# Altium PCB UmTRXv21.PcbDoc (part 13 of 19) (continued)
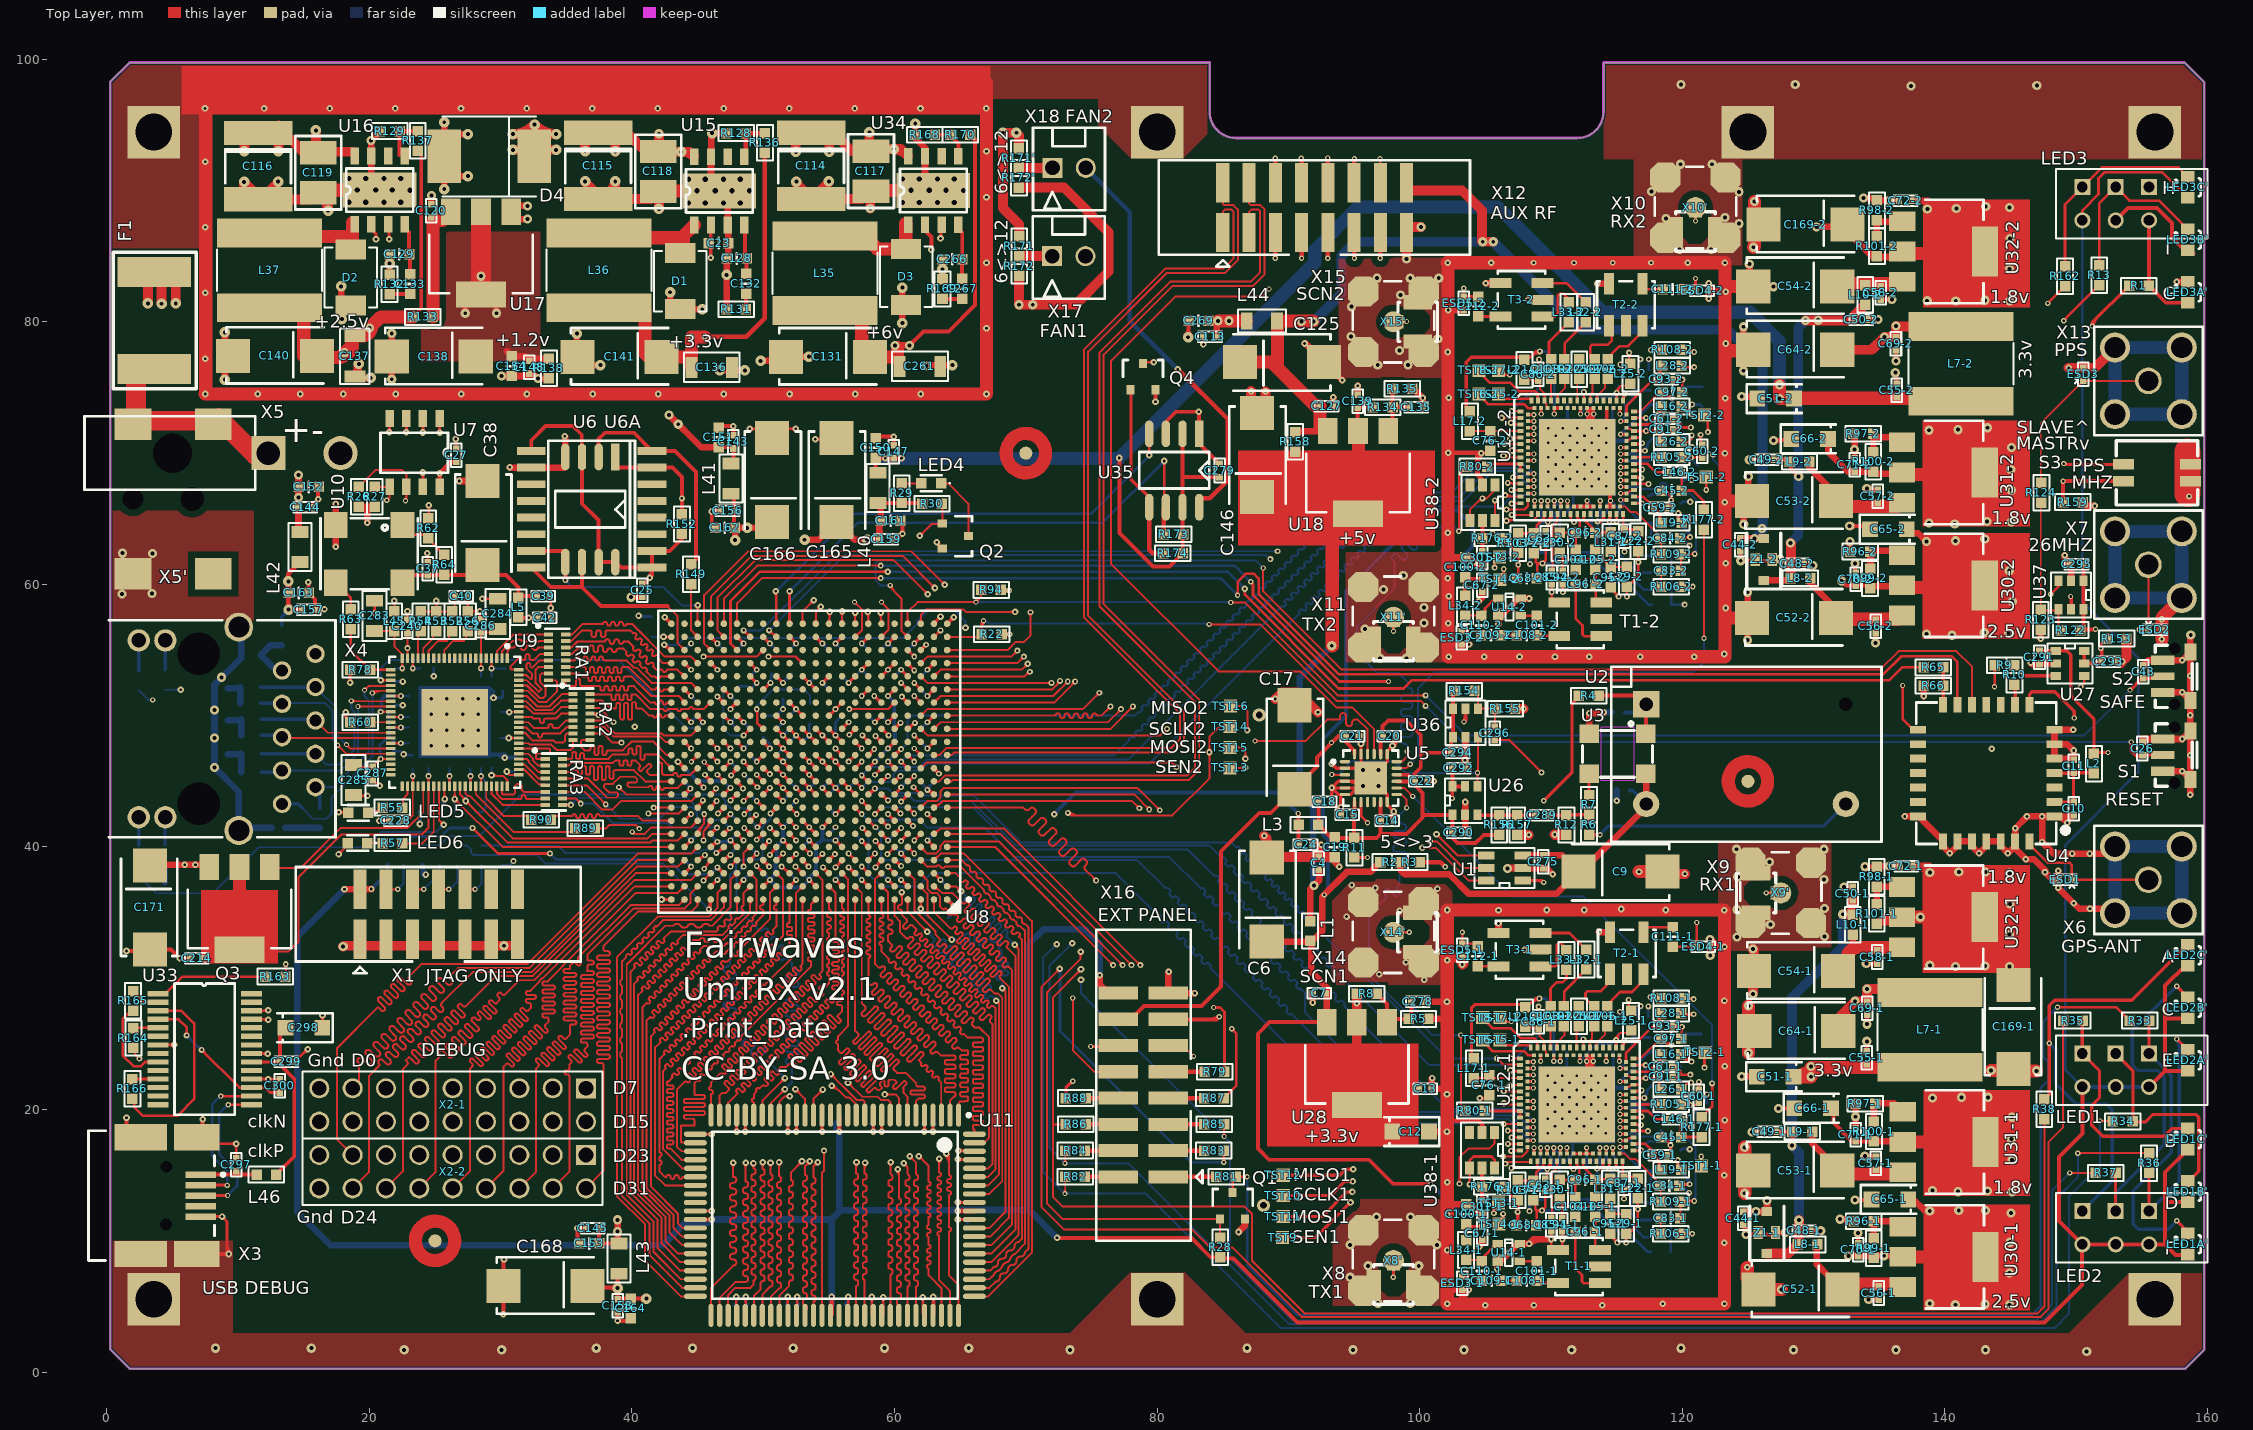
[diagram p0: Top Layer view]
## Nets (pads, with @x,y where several pads share a name; then routed paths per layer and width w, separated by ;. In a path a pad name is that pad's centre, name@x,y a point inside that pad or via, vN(x,y) a via of type N, cw(c..) or ccw(c..) an arc to the next point about the centre after c; other vN are vias at no path point) (continued)
  MidLayer1 w0.15: v1@56.394,38.344 cw(c56.138,38.088) 56.5,38.088 cw(c56.862,38.088) v1@56.606,38.344 ; v1(56.5,38.45) 56.5,37.7 60.7,33.5 v2(60.7,15.9) ; v2@60.576,16.024 ccw(c60.278,16.322) 60.7,16.322 ccw(c61.122,16.322) v2@60.824,16.024
RAM_D14: U8.C7 U11.75 | length 44
  Top Layer w0.15: v1@57.5,38.35 cw(c57.5,37.988) 57.756,38.244 cw(c58.012,38.5) v1@57.65,38.5 ; v1@57.55,38.5 v1(57.5,38.5) U8.C7@58,38 ; U8.C7@57.825,38 ccw(c57.403,38) 57.701,38.299 ccw(c58,38.597) U8.C7@58,38.175 ; v2@61.15,16.275 cw(c61.15,15.853) 61.449,16.151 cw(c61.747,16.45) v2@61.325,16.45 ; v2(61.15,16.45) 61.625,15.975 61.625,15.075 cw(c61.625,14.925) 61.775,14.925 61.775,14.775 cw(c61.625,14.775) 61.625,14.625 ccw(c61.625,14.475) 61.475,14.475 61.475,14.325 ccw(c61.625,14.325) 61.625,14.175 cw(c61.625,14.025) 61.775,14.025 61.775,13.875 cw(c61.625,13.875) 61.625,13.725 ccw(c61.625,13.575) 61.475,13.575 61.475,13.425 ccw(c61.625,13.425) 61.625,13.275 cw(c61.625,13.125) 61.775,13.125 61.775,12.975 cw(c61.625,12.975) 61.625,12.825 ccw(c61.625,12.675) 61.475,12.675 61.475,12.525 ccw(c61.625,12.525) 61.625,12.375 cw(c61.625,12.225) 61.775,12.225 61.775,12.075 cw(c61.625,12.075) 61.625,11.925 ccw(c61.625,11.775) 61.475,11.775 61.475,11.625 ccw(c61.625,11.625) 61.625,11.475 cw(c61.625,11.325) 61.775,11.325 61.775,11.175 cw(c61.625,11.175) 61.625,11.025 ccw(c61.625,10.875) 61.475,10.875 61.475,10.725 ccw(c61.625,10.725) 61.625,10.575 cw(c61.625,10.425) 61.775,10.425 61.775,10.275 cw(c61.625,10.275) 61.625,10.125 ccw(c61.625,9.975) 61.475,9.975 61.475,9.825 ccw(c61.625,9.825) 61.625,9.675 cw(c61.625,9.525) 61.775,9.525 61.775,9.375 cw(c61.625,9.375) 61.625,9.225 ccw(c61.625,9.075) 61.475,9.075 61.475,8.925 ccw(c61.625,8.925) 61.625,8.775 cw(c61.625,8.625) 61.775,8.625 61.775,8.475 cw(c61.625,8.475) 61.625,8.325 ccw(c61.625,8.175) 61.475,8.175 61.475,8.025 ccw(c61.625,8.025) 61.625,7.875 cw(c61.625,7.725) 61.775,7.725 61.775,7.575 cw(c61.625,7.575) 61.625,7.425 ccw(c61.625,7.275) 61.475,7.275 61.475,7.125 ccw(c61.625,7.125) 61.625,6.975 cw(c61.625,6.825) 61.775,6.825 61.775,6.675 cw(c61.625,6.675) 61.625,6.525 U11.75@61.625,4.325
  MidLayer1 w0.15: v1@57.429,38.368 cw(c57.367,38.25) 57.5,38.25 ; v1@57.571,38.368 ccw(c57.633,38.25) 57.5,38.25 ; v1@57.65,38.5 ccw(c58.616,38.5) 57.933,37.817 ; 57.677,38.073 cw(c58.104,38.5) v1(57.5,38.5) 57.5,38.25 ; v2@61.026,16.574 ccw(c60.728,16.872) 61.15,16.872 ccw(c61.572,16.872) v2@61.274,16.574 ; v2(61.15,16.45) 61.15,34.6 57.5,38.25
RAM_D15: U8.D6 U11.78 | length 43.7
  Top Layer w0.15: v1(58.55,38.45) 58.55,38.55 U8.D6@59,39 ; v1@58.7,38.45 cw(c59.304,38.45) U8.D6@58.877,38.877 ; v1@58.708,38.584 cw(c59.157,38.324) U8.D6@59.04,38.83 ; 58.804,38.751 ccw(c58.572,38.885) U8.D6@58.831,38.955 ; U8.D6@58.825,39 cw(c58.403,39) 58.701,38.701 cw(c59,38.403) U8.D6@59,38.825 ; v2@61.85,16.275 cw(c61.85,15.853) 62.149,16.151 cw(c62.447,16.45) v2@62.025,16.45 ; v2(61.85,16.45) 62.6,15.7 62.6,14.5 cw(c62.6,14.35) 62.6,14.2 ccw(c62.6,14.05) 62.6,13.9 cw(c62.6,13.75) 62.6,13.6 ccw(c62.6,13.45) 62.6,13.3 cw(c62.6,13.15) 62.6,13 ccw(c62.6,12.85) 62.6,12.7 cw(c62.6,12.55) 62.6,12.4 ccw(c62.6,12.25) 62.6,12.1 cw(c62.6,11.95) 62.6,11.8 62.6,11.2 ccw(c62.6,11.05) 62.6,10.9 cw(c62.6,10.75) 62.6,10.6 ccw(c62.6,10.45) 62.6,10.3 62.6,9.7 cw(c62.6,9.55) 62.6,9.4 ccw(c62.6,9.25) 62.6,9.1 cw(c62.6,8.95) 62.6,8.8 ccw(c62.6,8.65) 62.6,8.5 cw(c62.6,8.35) 62.6,8.2 ccw(c62.6,8.05) 62.6,7.9 62.6,7.375 63.575,6.4 U11.78@63.575,4.325
  MidLayer1 w0.15: v1@58.444,38.344 cw(c58.188,38.088) 58.55,38.088 cw(c58.912,38.088) v1@58.656,38.344 ; v1(58.55,38.45) 58.55,37.7 61.85,34.4 v2(61.85,16.45) ; v2@61.726,16.574 ccw(c61.428,16.872) 61.85,16.872 ccw(c62.272,16.872) v2@61.974,16.574
RAM_D16: U8.C5 U11.79 | length 43.1
  Top Layer w0.15: v1@59.5,38.35 cw(c59.5,37.988) 59.756,38.244 cw(c60.012,38.5) v1@59.65,38.5 ; v1(59.5,38.5) U8.C5@60,38 ; U8.C5@59.825,38 ccw(c59.403,38) 59.701,38.299 ccw(c60,38.597) U8.C5@60,38.175 ; v2@63.276,16.126 cw(c62.978,15.828) 63.4,15.828 cw(c63.822,15.828) v2@63.524,16.126 ; v2(63.4,16.25) 63.4,15.2 cw(c63.4,15.05) 63.4,14.9 ccw(c63.4,14.75) 63.4,14.6 cw(c63.4,14.45) 63.4,14.3 ccw(c63.4,14.15) 63.4,14 cw(c63.4,13.85) 63.4,13.7 ccw(c63.4,13.55) 63.4,13.4 cw(c63.4,13.25) 63.4,13.1 ccw(c63.4,12.95) 63.4,12.8 cw(c63.4,12.65) 63.4,12.5 ccw(c63.4,12.35) 63.4,12.2 cw(c63.4,12.05) 63.4,11.9 ccw(c63.4,11.75) 63.4,11.6 cw(c63.4,11.45) 63.4,11.3 ccw(c63.4,11.15) 63.4,11 cw(c63.4,10.85) 63.4,10.7 ccw(c63.4,10.55) 63.4,10.4 63.4,7 64.225,6.175 U11.79@64.225,4.325
  MidLayer1 w0.15: v1@59.5,38.35 cw(c59.5,37.988) 59.756,38.244 cw(c60.012,38.5) v1@59.65,38.5 ; v1(59.5,38.5) 59.95,38.05 60.65,38.05 63.4,35.3 v2(63.4,16.25) ; v2@63.276,16.374 ccw(c62.978,16.672) 63.4,16.672 ccw(c63.822,16.672) v2@63.524,16.374
RAM_D17: U8.D7 U11.80 | length 44.8
  Top Layer w0.15: U8.D7@58,39 v1(58.5,39.5) ; U8.D7@58,39.175 ccw(c58,39.597) 58.299,39.299 ccw(c58.597,39) U8.D7@58.175,39 ; v1@58.35,39.5 cw(c57.988,39.5) 58.244,39.244 cw(c58.5,38.988) v1@58.5,39.35 ; v2@63.826,16.526 cw(c63.045,15.745) 64.15,15.745 ; v2(63.95,16.65) 64.15,16.45 ; v2@63.971,16.476 cw(c63.997,16.262) 64.15,16.415 ; v2@64.006,16.484 cw(c64.05,16.35) 64.15,16.45 ; v2@64.038,16.738 cw(c63.769,16.469) 64.15,16.469 ; v2@64.113,16.587 ccw(c64.264,16.529) 64.15,16.415 ; v2@64.116,16.594 ccw(c64.25,16.55) 64.15,16.45 ; 64.15,16.107 ccw(c63.407,16.107) 63.932,16.632 64.15,16.415 ; U11.80@64.875,4.325 64.875,6.625 64.15,7.35 64.15,10.725 ccw(c64.15,10.875) 64.15,11.025 64.15,13.5 ccw(c64.15,13.65) 64.15,13.8 cw(c64.15,13.95) 64.15,14.1 ccw(c64.15,14.25) 64.15,14.4 cw(c64.15,14.55) 64.15,14.7 ccw(c64.15,14.85) 64.15,15 64.15,16.415 ; 64.15,16.415 64.15,16.45
  Mid-Layer 2 w0.15: v1@58.5,39.35 cw(c58.5,38.988) 58.756,39.244 cw(c59.012,39.5) v1@58.65,39.5 ; v1(58.5,39.5) 59.05,38.95 59.05,36.138 63.95,31.238 v2(63.95,16.65) ; v2@63.826,16.774 ccw(c63.528,17.072) 63.95,17.072 ccw(c64.372,17.072) v2@64.074,16.774
RAM_D18: U8.A7 U11.2 | length 40.7
  Top Layer w0.15: U8.A7@57.876,35.876 cw(c57.578,35.578) 58,35.578 cw(c58.422,35.578) U8.A7@58.124,35.876 ; U8.A7@58,36 58,34.825 cw(c58,34.675) 58,34.525 ccw(c58,34.375) 58,34.225 cw(c58,34.075) 58,33.925 ccw(c58,33.775) 58,33.625 cw(c58,33.475) 58,33.325 ccw(c58,33.175) 58,33.025 cw(c58,32.875) 58,32.725 ccw(c58,32.575) 58,32.425 cw(c58,32.275) 58,32.125 ccw(c58,31.975) 58,31.825 cw(c58,31.675) 58,31.525 58,29.65 58.103,29.547 ccw(c58.227,29.671) 58.35,29.547 58.381,29.578 cw(c58.505,29.455) 58.629,29.578 cw(c58.505,29.455) 58.629,29.331 58.474,29.176 58.319,29.021 ccw(c58.443,28.897) 58.319,28.774 ccw(c58.443,28.897) 58.567,28.774 58.721,28.929 58.876,29.083 cw(c59,28.96) 59.124,29.083 cw(c59,28.96) 59.124,28.836 58.969,28.681 58.814,28.526 ccw(c58.938,28.403) 58.814,28.279 ccw(c58.938,28.403) 59.062,28.279 59.371,28.588 cw(c59.495,28.465) 59.619,28.588 cw(c59.495,28.465) 59.619,28.341 59.464,28.186 59.309,28.031 ccw(c59.433,27.908) 59.309,27.784 ccw(c59.433,27.908) 59.557,27.784 59.711,27.939 59.866,28.093 cw(c59.99,27.97) 60.114,28.093 cw(c59.99,27.97) 60.114,27.846 59.959,27.691 59.804,27.536 ccw(c59.928,27.413) 59.804,27.289 ccw(c59.928,27.413) 60.052,27.289 60.361,27.598 cw(c60.485,27.475) 60.609,27.598 cw(c60.485,27.475) 60.609,27.351 60.299,27.041 ccw(c60.423,26.918) 60.299,26.794 ccw(c60.423,26.918) 60.547,26.794 60.701,26.949 60.856,27.103 cw(c60.98,26.98) 61.104,27.103 cw(c60.98,26.98) 61.104,26.856 60.949,26.701 60.794,26.546 ccw(c60.918,26.423) 60.794,26.299 ccw(c60.918,26.423) 61.042,26.299 61.196,26.454 61.351,26.608 cw(c61.475,26.485) 61.599,26.608 cw(c61.475,26.485) 61.599,26.361 61.289,26.051 ccw(c61.413,25.928) 61.289,25.804 ccw(c61.413,25.928) 61.537,25.804 61.691,25.959 61.846,26.113 cw(c61.97,25.99) 62.094,26.113 cw(c61.97,25.99) 62.094,25.866 61.939,25.711 61.784,25.556 ccw(c61.908,25.433) 61.784,25.309 ccw(c61.908,25.433) 62.032,25.309 62.186,25.464 62.341,25.618 cw(c62.465,25.495) 62.589,25.618 cw(c62.465,25.495) 62.589,25.371 62.279,25.061 ccw(c62.403,24.938) 62.279,24.814 ccw(c62.403,24.938) 62.527,24.814 62.836,25.123 cw(c62.96,25) 63.084,25.123 cw(c62.96,25) 63.084,24.876 62.929,24.721 62.774,24.566 ccw(c62.898,24.443) 62.774,24.319 ccw(c62.898,24.443) 63.021,24.319 63.053,24.35 cw(c63.176,24.226) 63.3,24.35 63.525,24.125 64.503,24.125 cw(c64.503,24.002) 64.625,24.002 64.625,23.897 cw(c64.503,23.897) 64.503,23.775 63.947,23.775 ccw(c63.947,23.652) 63.825,23.652 63.825,23.547 ccw(c63.947,23.547) 63.947,23.425 64.503,23.425 cw(c64.503,23.302) 64.625,23.302 64.625,23.197 cw(c64.503,23.197) 64.503,23.075 63.947,23.075 ccw(c63.947,22.952) 63.825,22.952 63.825,22.847 ccw(c63.947,22.847) 63.947,22.725 64.503,22.725 cw(c64.503,22.602) 64.625,22.602 64.625,22.497 cw(c64.503,22.497) 64.503,22.375 63.947,22.375 ccw(c63.947,22.252) 63.825,22.252 63.825,22.147 ccw(c63.947,22.147) 63.947,22.025 64.503,22.025 cw(c64.503,21.902) 64.625,21.902 64.625,21.797 cw(c64.503,21.797) 64.503,21.675 63.947,21.675 ccw(c63.947,21.552) 63.825,21.552 63.825,21.447 ccw(c63.947,21.447) 63.947,21.325 64.503,21.325 cw(c64.503,21.202) 64.625,21.202 64.625,21.097 cw(c64.503,21.097) 64.503,20.975 64.225,20.697 U11.2@64.225,19.575
RAM_D19: U8.B8 U11.3 | length 39.8
  Top Layer w0.15: U8.B8@57,36.825 cw(c57,36.403) 57.299,36.701 cw(c57.597,37) U8.B8@57.175,37 ; U8.B8@57,37 57.5,36.5 57.5,28.1 57.747,27.853 cw(c57.624,27.729) 57.747,27.605 57.543,27.401 ccw(c57.667,27.277) 57.543,27.153 ccw(c57.667,27.277) 57.791,27.153 58.447,27.809 cw(c58.571,27.686) 58.694,27.809 cw(c58.571,27.686) 58.694,27.562 58.038,26.906 ccw(c58.162,26.782) 58.038,26.658 ccw(c58.162,26.782) 58.286,26.658 58.614,26.986 58.942,27.314 cw(c59.066,27.191) 59.189,27.314 cw(c59.066,27.191) 59.189,27.067 58.861,26.739 58.533,26.411 ccw(c58.657,26.287) 58.533,26.163 ccw(c58.657,26.287) 58.781,26.163 59.109,26.491 59.437,26.819 cw(c59.561,26.696) 59.684,26.819 cw(c59.561,26.696) 59.684,26.572 59.028,25.916 ccw(c59.152,25.792) 59.028,25.668 ccw(c59.152,25.792) 59.276,25.668 59.604,25.996 59.932,26.324 cw(c60.056,26.201) 60.179,26.324 cw(c60.056,26.201) 60.179,26.077 59.851,25.749 59.523,25.421 ccw(c59.647,25.297) 59.523,25.173 ccw(c59.647,25.297) 59.77,25.173 60.099,25.501 60.427,25.83 cw(c60.55,25.706) 60.674,25.83 cw(c60.55,25.706) 60.674,25.582 60.018,24.926 ccw(c60.142,24.802) 60.018,24.678 ccw(c60.142,24.802) 60.265,24.678 60.922,25.335 cw(c61.045,25.211) 61.169,25.335 cw(c61.045,25.211) 61.169,25.087 60.841,24.759 60.513,24.431 ccw(c60.637,24.307) 60.513,24.183 ccw(c60.637,24.307) 60.76,24.183 61.089,24.511 61.417,24.84 cw(c61.54,24.716) 61.664,24.84 cw(c61.54,24.716) 61.664,24.592 61.336,24.264 61.008,23.936 ccw(c61.132,23.812) 61.008,23.688 ccw(c61.132,23.812) 61.255,23.688 61.912,24.345 cw(c62.035,24.221) 62.159,24.345 cw(c62.035,24.221) 62.159,24.097 61.831,23.769 62.045,23.555 ccw(c62.152,23.448) 62.259,23.341 cw(c62.366,23.234) 62.473,23.127 ccw(c62.579,23.021) 62.686,22.914 cw(c62.793,22.807) 62.9,22.7 ccw(c63.007,22.593) 63.114,22.486 cw(c63.221,22.379) 63.328,22.272 63.554,22.046 63.554,19.596 U11.3@63.575,19.575
RAM_D20: U8.A8 U11.6 | length 38.7
  Top Layer w0.15: U8.A8@56.876,35.876 cw(c56.578,35.578) 57,35.578 cw(c57.422,35.578) U8.A8@57.124,35.876 ; U8.A8@57,36 57,26 57.233,25.767 cw(c57.148,25.682) 57.233,25.597 56.884,25.248 ccw(c56.969,25.163) 56.884,25.078 56.927,25.036 ccw(c57.012,25.121) 57.096,25.036 57.964,25.904 cw(c58.049,25.819) 58.134,25.904 58.176,25.861 cw(c58.091,25.776) 58.176,25.692 57.742,25.258 57.309,24.824 ccw(c57.393,24.739) 57.309,24.654 57.351,24.612 ccw(c57.436,24.696) 57.521,24.612 58.388,25.479 cw(c58.473,25.394) 58.558,25.479 58.601,25.437 cw(c58.516,25.352) 58.601,25.267 57.733,24.399 ccw(c57.818,24.315) 57.733,24.23 57.775,24.187 ccw(c57.86,24.272) 57.945,24.187 58.379,24.621 58.813,25.055 cw(c58.898,24.97) 58.982,25.055 59.025,25.013 cw(c58.94,24.928) 59.025,24.843 58.157,23.975 ccw(c58.242,23.89) 58.157,23.805 58.2,23.763 ccw(c58.284,23.848) 58.369,23.763 59.237,24.631 cw(c59.322,24.546) 59.407,24.631 ; 59.048,22.915 59.006,22.957 cw(c59.091,23.042) 59.006,23.126 59.44,23.56 59.873,23.994 ; 59.048,22.914 ccw(c59.133,22.999) 59.218,22.915 60.085,23.782 cw(c60.17,23.697) 60.255,23.782 60.298,23.74 cw(c60.213,23.655) 60.298,23.57 59.949,23.221 ; 59.407,24.631 59.449,24.588 cw(c59.364,24.503) 59.449,24.419 ; 59.449,24.419 59.015,23.985 58.581,23.551 ccw(c58.666,23.466) 58.581,23.381 58.624,23.339 ccw(c58.709,23.424) 58.793,23.339 59.661,24.206 ; 59.661,24.207 cw(c59.746,24.122) 59.831,24.206 59.873,24.164 cw(c59.789,24.079) 59.874,23.994 ; 59.948,23.052 cw(c60.033,23.136) 59.948,23.221 ; 59.949,23.051 60.2,22.8 60.85,22.8 61.65,22 61.65,21.87 ccw(c61.77,21.87) 61.77,21.75 62.18,21.75 cw(c62.18,21.63) 62.3,21.63 62.3,21.57 cw(c62.18,21.57) 62.18,21.45 61.326,21.45 ccw(c61.326,21.33) 61.206,21.33 61.206,21.27 ccw(c61.326,21.27) 61.326,21.15 62.18,21.15 cw(c62.18,21.03) 62.3,21.03 62.3,20.97 cw(c62.18,20.97) 62.18,20.85 61.825,20.85 61.625,20.65 U11.6@61.625,19.575
RAM_D21: U8.C9 U11.7 | length 40.6
  Top Layer w0.15: 55.834,23.458 ccw(c55.919,23.543) 56.004,23.459 56.741,24.196 cw(c56.826,24.111) 56.911,24.196 56.954,24.154 cw(c56.869,24.069) 56.954,23.984 56.216,23.246 ccw(c56.301,23.162) 56.216,23.077 56.258,23.034 ccw(c56.343,23.119) 56.428,23.034 57.166,23.772 cw(c57.251,23.687) 57.335,23.772 57.378,23.729 cw(c57.293,23.645) 57.378,23.56 56.64,22.822 ccw(c56.725,22.737) 56.64,22.653 ; 55.834,23.459 55.792,23.501 cw(c55.877,23.586) 55.792,23.671 56.529,24.408 ccw(c56.444,24.493) 56.529,24.578 56.487,24.62 ccw(c56.402,24.536) 56.317,24.62 56.033,24.336 ; U8.C9@56,37.825 cw(c56,37.403) 56.299,37.701 cw(c56.597,38) U8.C9@56.175,38 ; U8.C9@56,38 56.45,37.55 56.45,26.35 55.7,25.6 55.7,25.298 ccw(c55.7,25.146) 55.7,24.995 55.7,24.5 55.864,24.336 ccw(c55.948,24.421) 56.033,24.336 ; 56.64,22.653 56.683,22.61 ccw(c56.768,22.695) 56.852,22.61 ; 56.852,22.61 57.221,22.979 57.59,23.348 cw(c57.675,23.263) 57.76,23.348 57.802,23.305 cw(c57.717,23.22) 57.802,23.135 57.065,22.398 ccw(c57.149,22.313) 57.064,22.228 ; 57.065,22.228 57.107,22.186 ccw(c57.192,22.271) 57.277,22.186 58.014,22.923 cw(c58.099,22.839) 58.184,22.924 58.226,22.881 ; 58.226,22.881 cw(c58.141,22.796) 58.226,22.711 57.489,21.974 ccw(c57.574,21.889) 57.489,21.804 57.531,21.762 ccw(c57.616,21.846) 57.701,21.761 58.438,22.499 cw(c58.523,22.414) 58.608,22.499 58.651,22.457 ; 58.651,22.457 cw(c58.566,22.372) 58.651,22.287 57.913,21.549 ccw(c57.998,21.465) 57.913,21.38 57.955,21.337 ccw(c58.04,21.422) 58.125,21.337 58.409,21.621 cw(c58.494,21.536) 58.579,21.621 58.729,21.471 58.846,21.471 59.05,21.675 58.879,21.846 58.879,22 59.15,22.271 cw(c59.15,22.187) 59.233,22.187 59.233,21.891 ccw(c59.353,21.891) 59.353,21.771 59.413,21.771 ccw(c59.413,21.891) 59.533,21.891 59.533,22.151 cw(c59.653,22.151) 59.653,22.271 59.983,22.271 60.098,22.156 cw(c60.013,22.071) 60.098,21.986 59.914,21.802 ccw(c59.999,21.718) 59.914,21.633 59.956,21.59 ccw(c60.041,21.675) 60.126,21.59 60.663,22.128 cw(c60.748,22.043) 60.833,22.128 60.876,22.085 ; U11.7@60.855,19.85 cw(c60.855,19.73) 60.975,19.73 U11.7@60.975,19.575 ; U11.7@60.855,20.15 ccw(c60.855,20.27) 60.975,20.27 60.975,20.992 60.692,21.275 60.692,21.562 cw(c60.777,21.647) 60.692,21.732 60.876,21.916 ; 60.876,21.916 ccw(c60.791,22) 60.876,22.085
RAM_D22: U8.D8 U11.8 | length 42.9
  Top Layer w0.15: v1@56.5,39.35 cw(c56.5,38.988) 56.756,39.244 cw(c57.012,39.5) v1@56.65,39.5 ; v1(56.5,39.5) U8.D8@57,39 ; U8.D8@56.825,39 ccw(c56.403,39) 56.701,39.299 ccw(c57,39.597) U8.D8@57,39.175 ; v2(59.25,21.15) 60.075,21.15 60.325,20.9 U11.8@60.325,19.575 ; v2@59.374,21.026 cw(c59.672,20.728) 59.672,21.15 cw(c59.672,21.572) v2@59.374,21.274
  Mid-Layer 2 w0.15: v1@56.5,39.35 cw(c56.5,38.988) 56.756,39.244 cw(c57.012,39.5) v1@56.65,39.5 ; v1(56.5,39.5) 57,39 57,37.1 60.35,33.75 60.35,33.2 ccw(c60.575,33.2) 60.575,32.975 60.625,32.975 cw(c60.625,32.75) 60.85,32.75 cw(c60.625,32.75) 60.625,32.525 60.075,32.525 ccw(c60.075,32.3) 59.85,32.3 ccw(c60.075,32.3) 60.075,32.075 60.625,32.075 cw(c60.625,31.85) 60.85,31.85 cw(c60.625,31.85) 60.625,31.625 60.075,31.625 ccw(c60.075,31.4) 59.85,31.4 ccw(c60.075,31.4) 60.075,31.175 60.625,31.175 cw(c60.625,30.95) 60.85,30.95 cw(c60.625,30.95) 60.625,30.725 60.075,30.725 ccw(c60.075,30.5) 59.85,30.5 ccw(c60.075,30.5) 60.075,30.275 60.625,30.275 cw(c60.625,30.05) 60.85,30.05 cw(c60.625,30.05) 60.625,29.825 60.075,29.825 ccw(c60.075,29.6) 59.85,29.6 ccw(c60.075,29.6) 60.075,29.375 60.625,29.375 cw(c60.625,29.15) 60.85,29.15 cw(c60.625,29.15) 60.625,28.925 60.075,28.925 ccw(c60.075,28.7) 59.85,28.7 ccw(c60.075,28.7) 60.075,28.475 60.625,28.475 cw(c60.625,28.25) 60.85,28.25 cw(c60.625,28.25) 60.625,28.025 60.075,28.025 ccw(c60.075,27.8) 59.85,27.8 ccw(c60.075,27.8) 60.075,27.575 60.625,27.575 cw(c60.625,27.35) 60.85,27.35 cw(c60.625,27.35) 60.625,27.125 60.075,27.125 ccw(c60.075,26.9) 59.85,26.9 ccw(c60.075,26.9) 60.075,26.675 60.625,26.675 cw(c60.625,26.45) 60.85,26.45 cw(c60.625,26.45) 60.625,26.225 60.075,26.225 ccw(c60.075,26) 59.85,26 ccw(c60.075,26) 60.075,25.775 60.625,25.775 cw(c60.625,25.55) 60.85,25.55 cw(c60.625,25.55) 60.625,25.325 60.075,25.325 ccw(c60.075,25.1) 59.85,25.1 ccw(c60.075,25.1) 60.075,24.875 60.625,24.875 cw(c60.625,24.65) 60.85,24.65 cw(c60.625,24.65) 60.625,24.425 60.075,24.425 ccw(c60.075,24.2) 59.85,24.2 ccw(c60.075,24.2) 60.075,23.975 60.425,23.975 60.425,22.325 v2(59.25,21.15) ; v2@59.25,21.325 ccw(c59.25,21.747) 59.549,21.449 ccw(c59.847,21.15) v2@59.425,21.15
RAM_D23: U8.H13 U11.9 | length 42.9
  Top Layer w0.15: U8.H13@52,42.825 cw(c52,42.282) 52.384,42.666 ; U8.H13@52.025,43.025 v1(52.55,42.5) ; U8.H13@52.175,43 ccw(c52.477,43) 52.263,42.787 ; v1@52.4,42.5 ccw(c52.038,42.5) 52.294,42.756 ccw(c52.55,43.012) v1@52.55,42.65 ; v2@56.45,21.875 cw(c56.45,21.453) 56.749,21.751 cw(c57.047,22.05) v2@56.625,22.05 ; v2(56.45,22.05) 57.525,20.975 58.725,20.975 58.975,20.725 59.525,20.725 59.675,20.575 U11.9@59.675,19.575
  Mid-Layer 2 w0.15: v1(52.55,42.5) 53.25,42.5 54.075,41.675 54.075,39.726 54.025,39.676 54.025,37.825 54.1,37.75 54.1,36.75 56.475,34.375 56.475,33.85 ccw(c56.6,33.85) 56.6,33.725 cw(c56.6,33.5) 56.825,33.5 cw(c56.6,33.5) 56.6,33.275 56.35,33.275 ccw(c56.35,33.05) 56.125,33.05 ccw(c56.35,33.05) 56.35,32.825 56.6,32.825 cw(c56.6,32.6) 56.825,32.6 cw(c56.6,32.6) 56.6,32.375 56.35,32.375 ccw(c56.35,32.15) 56.125,32.15 ccw(c56.35,32.15) 56.35,31.925 56.6,31.925 cw(c56.6,31.7) 56.825,31.7 cw(c56.6,31.7) 56.6,31.475 56.35,31.475 ccw(c56.35,31.25) 56.125,31.25 ccw(c56.35,31.25) 56.35,31.025 56.6,31.025 cw(c56.6,30.8) 56.825,30.8 cw(c56.6,30.8) 56.6,30.575 56.35,30.575 ccw(c56.35,30.35) 56.125,30.35 ccw(c56.35,30.35) 56.35,30.125 56.6,30.125 cw(c56.6,29.9) 56.825,29.9 cw(c56.6,29.9) 56.6,29.675 56.35,29.675 ccw(c56.35,29.45) 56.125,29.45 ccw(c56.35,29.45) 56.35,29.225 56.6,29.225 cw(c56.6,29) 56.825,29 cw(c56.6,29) 56.6,28.775 56.35,28.775 ccw(c56.35,28.55) 56.125,28.55 ccw(c56.35,28.55) 56.35,28.325 56.6,28.325 cw(c56.6,28.1) 56.825,28.1 cw(c56.6,28.1) 56.6,27.875 56.35,27.875 ccw(c56.35,27.65) 56.125,27.65 ccw(c56.35,27.65) 56.35,27.425 56.6,27.425 cw(c56.6,27.2) 56.825,27.2 cw(c56.6,27.2) 56.6,26.975 56.35,26.975 ccw(c56.35,26.75) 56.125,26.75 ccw(c56.35,26.75) 56.35,26.525 56.6,26.525 cw(c56.6,26.3) 56.825,26.3 cw(c56.6,26.3) 56.6,26.075 56.35,26.075 ccw(c56.35,25.85) 56.125,25.85 ccw(c56.35,25.85) 56.35,25.625 56.6,25.625 cw(c56.6,25.4) 56.825,25.4 cw(c56.6,25.4) 56.6,25.175 56.35,25.175 ccw(c56.35,24.95) 56.125,24.95 ccw(c56.35,24.95) 56.35,24.725 56.6,24.725 cw(c56.6,24.5) 56.825,24.5 cw(c56.6,24.5) 56.6,24.275 56.35,24.275 ccw(c56.35,24.05) 56.125,24.05 ccw(c56.35,24.05) 56.35,23.825 56.6,23.825 cw(c56.6,23.6) 56.825,23.6 cw(c56.6,23.6) 56.6,23.375 56.45,23.225 56.45,22.75 cw(c56.45,22.6) 56.45,22.45 ; v1@52.656,42.394 cw(c52.912,42.138) 52.912,42.5 cw(c52.912,42.862) v1@52.656,42.606 ; v2@56.331,22.179 ccw(c56.08,22.45) 56.45,22.45 ; v2(56.45,22.05) 56.45,22.45 ; v2@56.569,22.179 cw(c56.82,22.45) 56.45,22.45
RAM_D24: U8.F13 U11.12 | length 43
  Top Layer w0.15: U8.F13@52,40.825 cw(c52,40.403) 52.299,40.701 cw(c52.597,41) U8.F13@52.175,41 ; U8.F13@52,41 v1(52.5,40.5) ; v1@52.35,40.5 ccw(c51.988,40.5) 52.244,40.756 ccw(c52.5,41.012) v1@52.5,40.65 ; v2@55.15,22.53 cw(c55.15,22.108) 55.449,22.407 cw(c55.747,22.705) v2@55.325,22.705 ; v2(55.15,22.705) 57.128,20.728 57.419,20.728 57.421,20.725 57.6,20.725 57.725,20.6 U11.12@57.725,19.575
  Mid-Layer 2 w0.15: v1@52.5,40.35 cw(c52.5,39.988) 52.756,40.244 cw(c53.012,40.5) v1@52.65,40.5 ; v1(52.5,40.5) 52.95,40.05 52.95,37.05 55.15,34.85 55.15,34.5 ccw(c55.375,34.5) 55.375,34.275 cw(c55.375,34.05) 55.6,34.05 cw(c55.375,34.05) 55.375,33.825 54.931,33.825 ccw(c54.931,33.6) 54.706,33.6 ccw(c54.931,33.6) 54.931,33.375 55.369,33.375 cw(c55.369,33.15) 55.594,33.15 cw(c55.369,33.15) 55.369,32.925 54.931,32.925 ccw(c54.931,32.7) 54.706,32.7 ccw(c54.931,32.7) 54.931,32.475 55.369,32.475 cw(c55.369,32.25) 55.594,32.25 cw(c55.369,32.25) 55.369,32.025 54.931,32.025 ccw(c54.931,31.8) 54.706,31.8 ccw(c54.931,31.8) 54.931,31.575 55.369,31.575 cw(c55.369,31.35) 55.594,31.35 cw(c55.369,31.35) 55.369,31.125 54.931,31.125 ccw(c54.931,30.9) 54.706,30.9 ccw(c54.931,30.9) 54.931,30.675 55.369,30.675 cw(c55.369,30.45) 55.594,30.45 cw(c55.369,30.45) 55.369,30.225 54.931,30.225 ccw(c54.931,30) 54.706,30 ccw(c54.931,30) 54.931,29.775 55.369,29.775 cw(c55.369,29.55) 55.594,29.55 cw(c55.369,29.55) 55.369,29.325 54.931,29.325 ccw(c54.931,29.1) 54.706,29.1 ccw(c54.931,29.1) 54.931,28.875 55.369,28.875 cw(c55.369,28.65) 55.594,28.65 cw(c55.369,28.65) 55.369,28.425 54.931,28.425 ccw(c54.931,28.2) 54.706,28.2 ccw(c54.931,28.2) 54.931,27.975 55.369,27.975 cw(c55.369,27.75) 55.594,27.75 cw(c55.369,27.75) 55.369,27.525 54.931,27.525 ccw(c54.931,27.3) 54.706,27.3 ccw(c54.931,27.3) 54.931,27.075 55.369,27.075 cw(c55.369,26.85) 55.594,26.85 cw(c55.369,26.85) 55.369,26.625 54.931,26.625 ccw(c54.931,26.4) 54.706,26.4 ccw(c54.931,26.4) 54.931,26.175 55.369,26.175 cw(c55.369,25.95) 55.594,25.95 cw(c55.369,25.95) 55.369,25.725 54.931,25.725 ccw(c54.931,25.5) 54.706,25.5 ccw(c54.931,25.5) 54.931,25.275 55.369,25.275 cw(c55.369,25.05) 55.594,25.05 cw(c55.369,25.05) 55.369,24.825 54.931,24.825 ccw(c54.931,24.6) 54.706,24.6 ccw(c54.931,24.6) 54.931,24.375 55.369,24.375 cw(c55.369,24.15) 55.594,24.15 cw(c55.369,24.15) 55.369,23.925 55.15,23.706 v2(55.15,22.705) ; v2@55.026,22.829 ccw(c54.728,23.128) 55.15,23.128 ccw(c55.572,23.128) v2@55.274,22.829
RAM_D25: U8.G13 U11.13 | length 43.4
  Top Layer w0.15: U8.G13@52,41.825 cw(c52,41.403) 52.299,41.701 cw(c52.597,42) U8.G13@52.175,42 ; U8.G13@52,42 v1(52.5,41.5) ; v1@52.35,41.5 ccw(c51.988,41.5) 52.244,41.756 ccw(c52.5,42.012) v1@52.5,41.65 ; v2@55.225,21.65 cw(c55.225,20.853) 55.789,21.416 ; v2@55.225,21.8 cw(c55.225,21.365) 55.533,21.672 ; v2(55.225,21.825) 55.38,21.825 56.28,20.925 56.55,20.925 57.075,20.4 U11.13@57.075,19.575
  Mid-Layer 2 w0.15: v1@52.35,41.5 cw(c51.988,41.5) 52.244,41.244 cw(c52.5,40.988) v1@52.5,41.35 ; v1(52.5,41.5) 51.95,40.95 51.95,37.25 54,35.2 54,34.75 ccw(c54.175,34.75) 54.175,34.575 cw(c54.175,34.35) 54.4,34.35 cw(c54.175,34.35) 54.175,34.125 53.825,34.125 ccw(c53.825,33.9) 53.6,33.9 ccw(c53.825,33.9) 53.825,33.675 54.175,33.675 cw(c54.175,33.45) 54.4,33.45 cw(c54.175,33.45) 54.175,33.225 53.825,33.225 ccw(c53.825,33) 53.6,33 ccw(c53.825,33) 53.825,32.775 54.175,32.775 cw(c54.175,32.55) 54.4,32.55 cw(c54.175,32.55) 54.175,32.325 53.825,32.325 ccw(c53.825,32.1) 53.6,32.1 ccw(c53.825,32.1) 53.825,31.875 54.175,31.875 cw(c54.175,31.65) 54.4,31.65 cw(c54.175,31.65) 54.175,31.425 53.825,31.425 ccw(c53.825,31.2) 53.6,31.2 ccw(c53.825,31.2) 53.825,30.975 54.175,30.975 cw(c54.175,30.75) 54.4,30.75 cw(c54.175,30.75) 54.175,30.525 53.825,30.525 ccw(c53.825,30.3) 53.6,30.3 ccw(c53.825,30.3) 53.825,30.075 54.175,30.075 cw(c54.175,29.85) 54.4,29.85 cw(c54.175,29.85) 54.175,29.625 53.825,29.625 ccw(c53.825,29.4) 53.6,29.4 ccw(c53.825,29.4) 53.825,29.175 54.175,29.175 cw(c54.175,28.95) 54.4,28.95 cw(c54.175,28.95) 54.175,28.725 53.825,28.725 ccw(c53.825,28.5) 53.6,28.5 ccw(c53.825,28.5) 53.825,28.275 54.175,28.275 cw(c54.175,28.05) 54.4,28.05 cw(c54.175,28.05) 54.175,27.825 53.825,27.825 ccw(c53.825,27.6) 53.6,27.6 ccw(c53.825,27.6) 53.825,27.375 54.175,27.375 cw(c54.175,27.15) 54.4,27.15 cw(c54.175,27.15) 54.175,26.925 53.825,26.925 ccw(c53.825,26.7) 53.6,26.7 ccw(c53.825,26.7) 53.825,26.475 54.175,26.475 cw(c54.175,26.25) 54.4,26.25 cw(c54.175,26.25) 54.175,26.025 53.825,26.025 ccw(c53.825,25.8) 53.6,25.8 ccw(c53.825,25.8) 53.825,25.575 54.175,25.575 cw(c54.175,25.35) 54.4,25.35 cw(c54.175,25.35) 54.175,25.125 53.825,25.125 ccw(c53.825,24.9) 53.6,24.9 ccw(c53.825,24.9) 53.825,24.675 54.175,24.675 cw(c54.175,24.45) 54.4,24.45 cw(c54.175,24.45) 54.175,24.225 53.825,24.225 ccw(c53.825,24) 53.6,24 ccw(c53.825,24) 53.825,23.775 54,23.6 54,23.05 54.2,22.85 cw(c54.307,22.743) 54.414,22.636 ccw(c54.521,22.529) 54.628,22.422 v2(55.225,21.825) ; v2@55.05,21.825 ccw(c54.628,21.825) 54.926,22.124 ccw(c55.225,22.422) v2@55.225,22